# KiCad board bottom-board.kicad_pcb (continued)
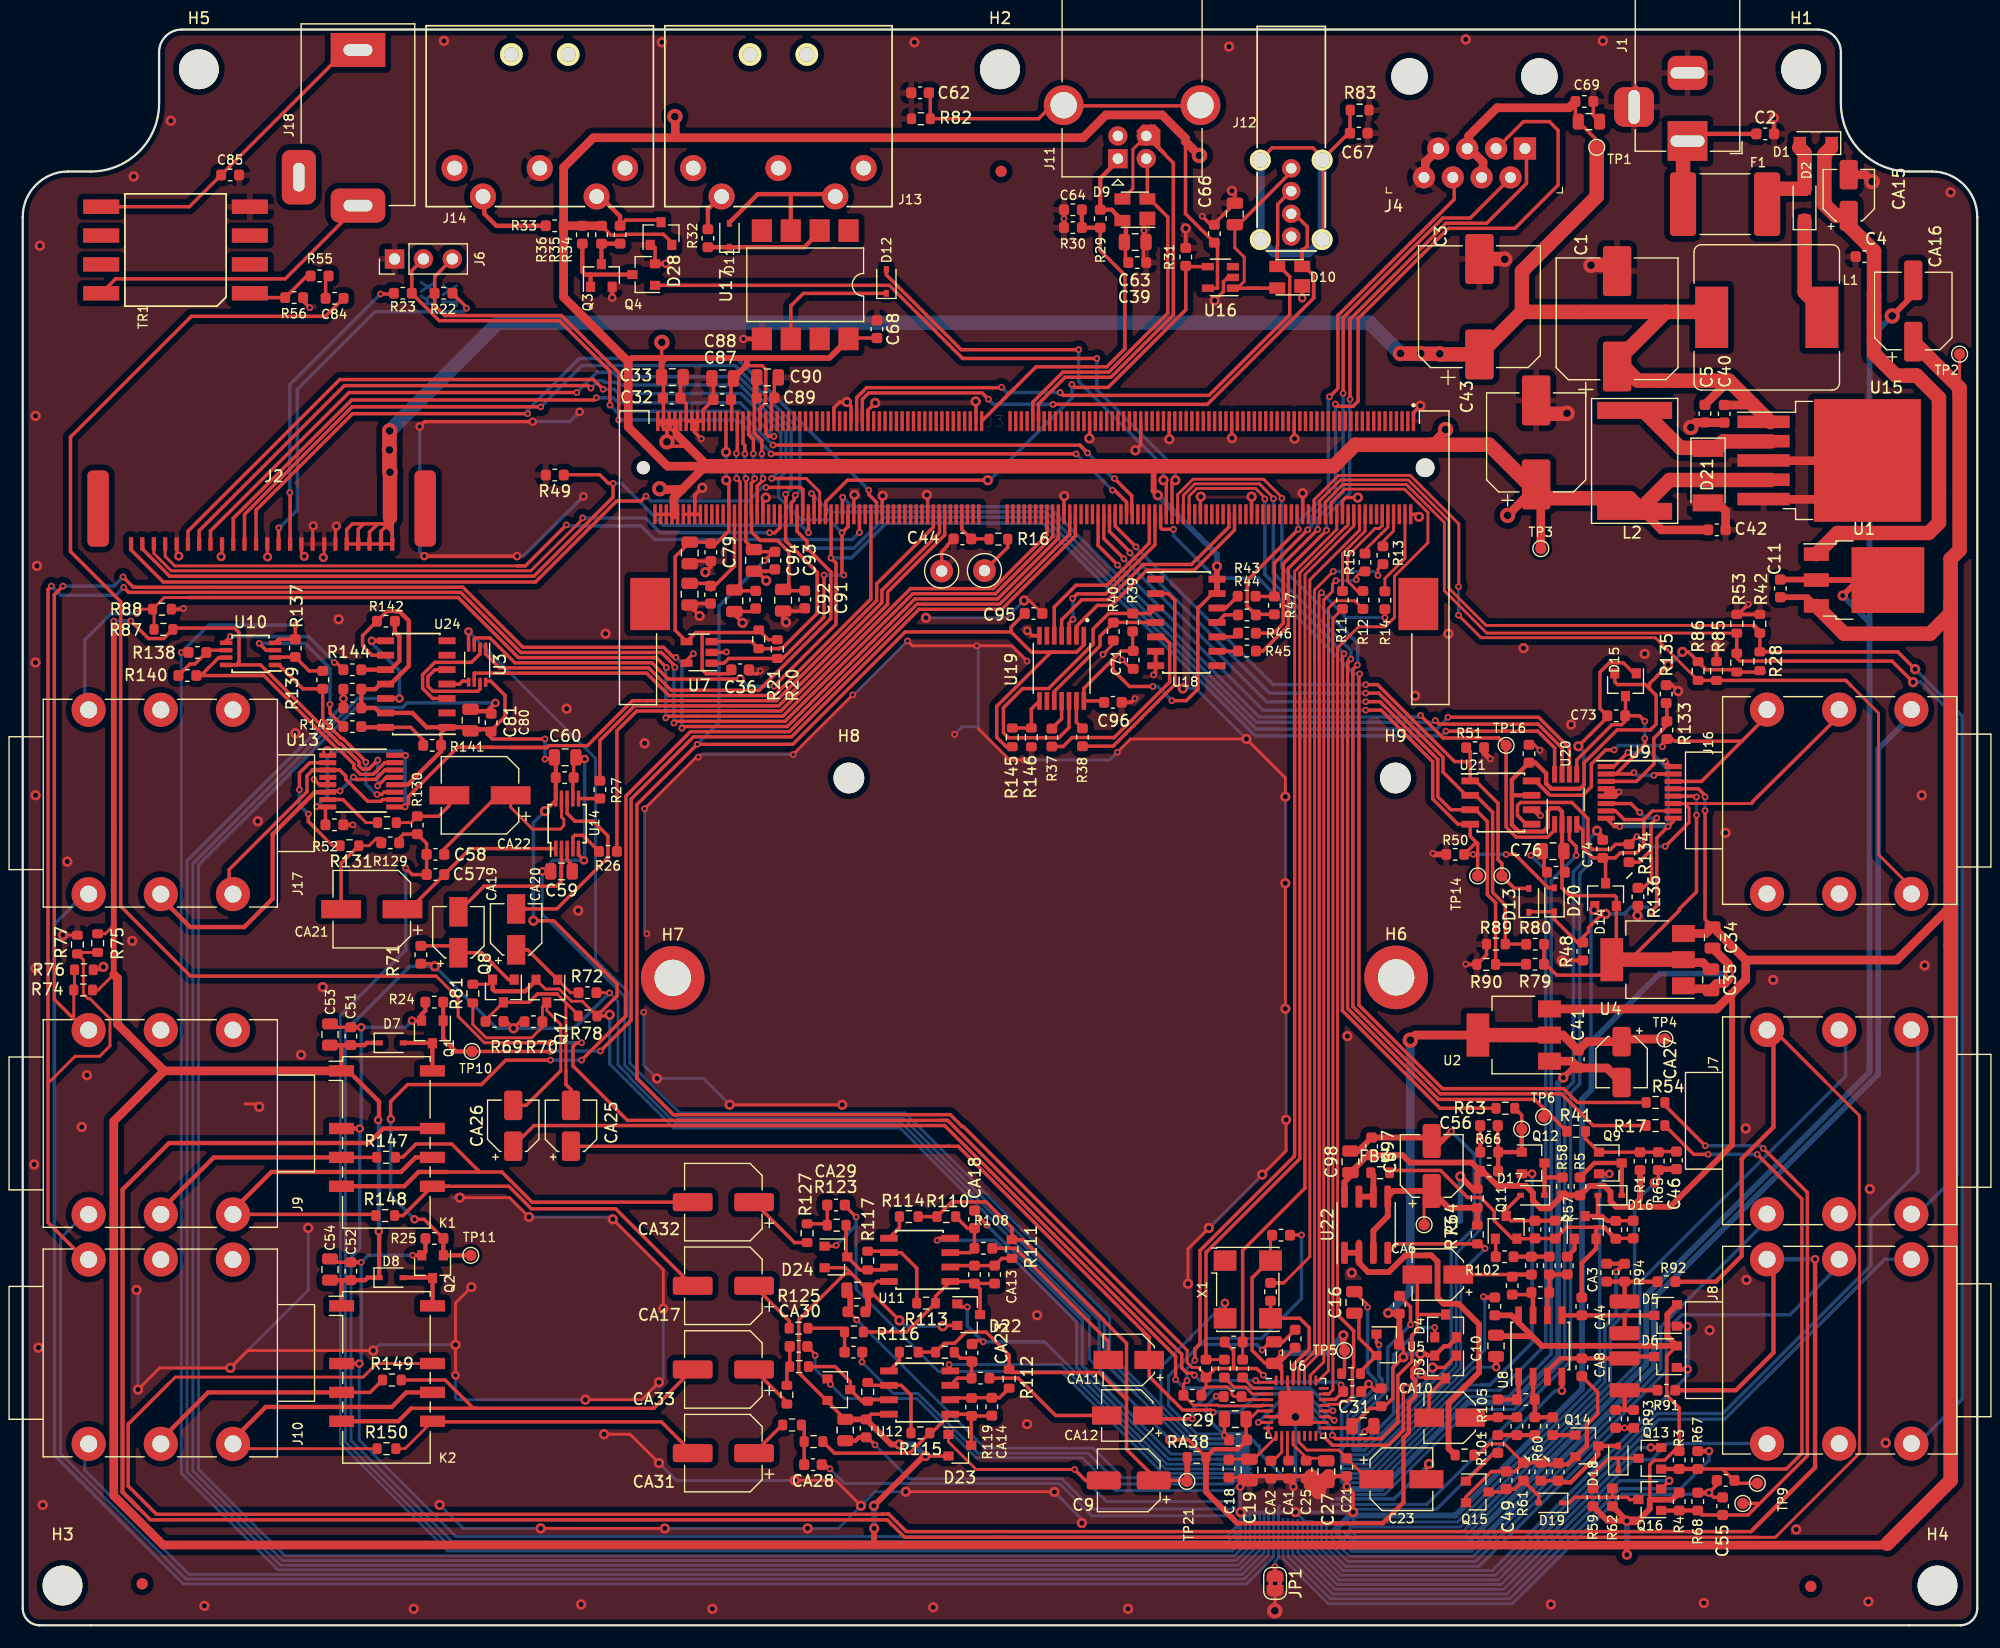
[diagram p0: board, top side]
## Placement (name value [footprint] x y rotation side) (continued)
TP9  TestPoint  [TestPoint_Pad_D1.0mm]  151.37 10.73 270 top
TP10  TestPoint  [TestPoint_Pad_D1.0mm]  39.53 50.52 0 top
TP11  TestPoint  [TestPoint_Pad_D1.0mm]  39.42 32.57 0 top
TP14  TestPoint  [TestPoint_Pad_D1.0mm]  128.03 65.98 90 top
TP15  TestPoint  [TestPoint_Pad_D1.0mm]  130.17 65.98 270 top
TP16  TestPoint  [TestPoint_Pad_D1.0mm]  130.54 77.47 0 top
TP18  TestPoint  [TestPoint_Loop_D1.80mm_Drill1.0mm_Beaded]  80.86 92.82 0 top
TP20  TestPoint  [TestPoint_Pad_D1.0mm]  123.32 35.27 270 top
TP21  TestPoint  [TestPoint_Pad_D1.0mm]  102.45 12.67 270 top
TP22  TestPoint  [TestPoint_Loop_D1.80mm_Drill1.0mm_Beaded]  84.63 92.86 0 top
TR1  Transformer_1P_1S_SO8  [PE-65812NL]  13.45 121.09 90 top
U1  TL750M10CKVURG3  [TO-252-3_TabPin2]  162.04 92.03 0 top
U2  LD1117S50TR  [SOT-223-3_TabPin2]  131.21 51.97 180 top
U3  74LVC3G17  [VSSOP-8_2.3x2mm_P0.5mm]  39.99 84.58 270 top
U4  LD1117S50TR  [SOT-223-3_TabPin2]  142.99 58.6 180 top
U5  AP2120N-3.3  [SOT-23]  120.13 24.7 0 top
U6  CS4265  [QFN-32-1EP_5x5mm_P0.5mm_EP3.1x3.1mm]  112.05 19.11 0 top
U7  AT24CS08  [SOT-23-5]  59.52 85.66 180 top
U8  LM4562  [SOIC-8_3.9x4.9mm_P1.27mm]  133.54 24.59 90 top
U9  DG9426E  [TSSOP-16_4.4x5mm_P0.65mm]  142.29 73.33 0 top
U10  LM358  [TSSOP-8_3x3mm_P0.65mm]  20.05 85.53 180 top
U11  LM833DR2G  [SOIC-8_3.9x4.9mm_P1.27mm]  78.93 32.18 180 top
U12  LM833DR2G  [SOIC-8_3.9x4.9mm_P1.27mm]  78.93 20.49 180 top
U13  DG9426E  [TSSOP-16_4.4x5mm_P0.65mm]  29.79 74.33 0 top
U14  LM4811  [MSOP-10_3x3mm_P0.5mm]  47.91 70.59 90 top
U15  LM2596S-5  [TO-263-5_TabPin3]  158.96 102.56 0 top
U16  TPS2041B  [SOT-23-5]  105.39 118.68 180 top
U17  6N136S  [SMDIP-8_W9.53mm]  68.86 118.03 270 top
U18  ISL83086E  [SOIC-14_3.9x8.7mm_P1.27mm]  102.4 88.3 0 top
U19  LSF0204DPWR  [SOP65P640X120-14N]  91.42 84.26 270 top
U20  ADC122S021  [VSSOP-8_3.0x3.0mm_P0.65mm]  135.78 72.72 90 top
U21  MIC2076A  [SOIC-8_3.9x4.9mm_P1.27mm]  130.08 72.44 0 top
U22  LM833DR2G  [SOIC-8_3.9x4.9mm_P1.27mm#2]  118.22 35.27 90 top
U24  MCP4922-EP  [SOIC-14_3.9x8.7mm_P1.27mm]  34.63 82.87 180 top
X1  24.576MHz  [Oscillator_SMD_Abracon_ASV-4Pin_7.0x5.1mm]  107.8 29.57 270 top

## Library data of the parts
C1 C3 = -: MPN: UCM1C102MNL1GS
C2 C4 C7 C11 C12 C14 C17 C18 C20-C22 C24 C25 C28 C30 C32 C36 C37 C39-C42 C45-C50 C55-C58 C61 C64 C65 C68 C70-C72 C75 C79 C80 C82 C83 C87 C89 C91 C93 C95-C97 = -: MPN: GCM188R71C104KA37D
C5 C44 = -: MPN: C0603X7R500-103KNP
C6 C9 C23 CA17 CA31-CA33 = -: MPN: EDK476M016A9DAA
C8 C33 C78 C86 C88 C90 C92 C94 = -: MPN: CL21A226MPQNNNE
C10 C13 C16 C19 C26 C27 C29 C31 C34 C35 C38 C59 C60 C63 C66 C69 C76 C81 C98 = -: MPN: GRM219R61E106KA12D
C15 C62 C67 C77 = -: MPN: TMK107B7105KA-T
C43 = -: MPN: UCW1C471MNL1GS
C51 C52 = -: MPN: DO NOT PLACE; MPN2: GCM188R71C104KA37D
C53 C54 = -: MPN: DO NOT PLACE; MPN2: CL21A226MPQNNNE
C73 C74 = -: MPN: C0603C333K4RACTU
C84 = -: MPN: CL10B103KA8NNNC
C85 = -: MPN: C0603C220K4GACTU
CA1 CA2 = -: MPN: GRM1885C1H222JA01D
CA3 CA5 CA7 CA9 CA13 CA14 CA18 CA23 CA24 CA28-CA30 = -: MPN: C0603C101J3GACTU
CA4 CA8 = -: MPN: FCA1210C105M-G2
CA6 CA10-CA12 CA15 CA19 CA20 CA25-CA27 = -: MPN: EEE-HB1C100R
CA16 CA21 CA22 = -: MPN: 107SML016M
D1 D2 = -: MPN: RSX205LAM30TR
D3-D6 D14 D15 D22-D25 D28 = -: MPN: BAT54SFILM
D7 D8 = -: MPN: DO NOT PLACE; MPN2: 1N4148WX-TP
D9 D10 = -: MPN: PRTR5V0U2X,215
D11-D13 D16-D20 = -: MPN: 1N4148WX-TP
D21 = -: MPN: TSSA3U45 R3G
F1 = -: MPN: 0ZCF0200FF2C
FB1-FB3 = -: MPN: BLM18HD102SH1D
H6 H7 = -: MPN: 9774030243R
J1 = -: MPN: Adafruit Industries LLC 3643
J2 = -: MPN: F51L-1A7H1-11024
J3 = -: MPN: TE_2309409-1
J4 = -: MPN: 54602-908LF
J6 R19 R24 R25 = -: MPN: DO NOT PLACE
J11 = -: MPN: 61729-1011BLF
J12 = -: MPN: KUSBX-SLAS1N-B
J13 J14 = -: MPN: SDS-50J
K1 K2 = -: MPN: DO NOT PLACE; MPN2: EE2-12NU-L
L1 = -: MPN: SRR1260-102K
L2 = -: MPN: SRN8040TA-470M
Q1 Q2 = -: MPN: DO NOT PLACE; MPN2: 2N7002P 215
Q3 Q4 Q9 Q12 Q13 Q16 = -: MPN: 2N7002P,215
Q8 Q10 Q11 Q14 Q15 Q17 = -: MPN: MMBFJ110
R1-R4 R29 R31 R35 R36 R39 R40 R48-R52 R79 R80 R107-R120 R133-R140 R145 R146 = -: MPN: RR0816P-103-D
R5 R28 R58 R59 R62 R84 R86 = -: MPN: RMCF0603JT100K
R6-R8 R20-R23 R65-R68 = -: MPN: CRGCQ0603F2K7
R9-R15 R26 R27 R37 R38 = -: MPN: RMCF0603JT22R0
R16 = -: MPN: CRGCQ0603J10R
R17 R41 R54 R63 R64 R143 R144 = -: MPN: ERJ-PB3D1001V
R18 R57 R60 R61 R69 R70 R82 R83 R93-R96 = -: MPN: RT0603BRD071ML
R30 R89 R90 = -: MPN: RMCF0603JT15K0
R32-R34 = -: MPN: RC0603FR-07220RL
R42 R53 R71 R72 R85 = -: MPN: RT0603DRD0756KL
R43-R46 = -: MPN: CRGCQ0603F56R
R47 R105 R106 RA38 = -: MPN: RT0603DRD07100RL
R55 = -: MPN: RC0603FR-07243RL
R56 = -: MPN: RC0603FR-07107RL
R73 = -: MPN: CRGCQ0603F1K5
R74 R75 R87 = -: MPN: RMCF0603JT220K
R76 R77 R88 = -: MPN: RMCF0603JT47K0
R78 R81 = -: MPN: DO NOT PLACE; MPN2: RT0603BRD071ML
R91 R92 = -: MPN: RT0603DRE0747RL
R97 R98 = -: MPN: ERA-3AED562V
R99 R100 = -: MPN: RT0603DRD0722KL
R101-R104 = -: MPN: RT0603DRE074K7L
R121-R128 = -: MPN: RC0603FR-07150RL
R129 R130 = -: MPN: RR0816P-753-D
R131 R132 = -: MPN: RMCF0603FT6R80
R141 R142 = -: MPN: ERJ-3EKF4993V
R147-R150 = -: MPN: CRG0603ZR
TR1 = -: MPN: PE-65812NL
U3 = -: MPN: SN74LVC3G17DCUR
U5 = -: MPN: AP2120N-3.3TRG1
U6 = -: MPN: CS4265-CNZ
U7 = -: MPN: AT24CS08-STUM-T
U8 = -: MPN: LM4562MAX/NOPB
U10 = -: MPN: TLV272CM8-13
U13 = -: MPN: DG9426EDQ-T1-GE3
U14 = -: MPN: LM4811MM/NOPB
U15 = -: MPN: TS2596CM550 RNG
U18 = -: MPN: ISL83491IBZ
U20 = -: MPN: ADC122S021CIMM/NOPB
U21 = -: MPN: MIC2076A-1YM; MPN2: SP2526A-1EN-L/TR
U22 = -: MPN2: OPA1678IDR
U24 = -: MPN: MCP4922T-E/SL
X1 = -: MPN: ASV-24.576MHZ-EJ-T

## Footprints (pads in the part's own frame, mm; a bottom-side part is the same pattern mirrored in y, then rotated)
BarrelJack_Horizontal
  rect 3.5x3.5 hole 1x3: 1(0,0)
  rrect 3x3.5 hole 1x3: 2(-6,0)
  rrect 3.5x3.5 hole 3x1: 3(-3,-4.7)
C_0603_1608Metric
  rrect 0.875x0.95 smd: 1(-0.787,0) 2(0.787,0)
C_0805_2012Metric
  rrect 1x1.45 smd: 1(-0.95,0) 2(0.95,0)
C_0805_2012Metric#2
  rrect 0.975x1.4 smd: 1(-0.938,0) 2(0.938,0)
C_1210_3225Metric
  rrect 1.25x2.65 smd: 1(-1.4,0) 2(1.4,0)
CP_Elec_4x5.7
  rect 2.6x1.6 smd: 1(-1.8,0) 2(1.8,0)
CP_Elec_4x5.7#2
  rrect 2.6x1.6 smd: 1(-1.8,0) 2(1.8,0)
CP_Elec_5x5.4
  rect 3x1.6 smd: 1(-2.2,0) 2(2.2,0)
CP_Elec_5x5.4#2
  rrect 3x1.6 smd: 1(-2.2,0) 2(2.2,0)
CP_Elec_6.3x7.7
  rect 3.5x1.6 smd: 1(-2.7,0) 2(2.7,0)
CP_Elec_6.3x7.7#2
  rrect 3.5x1.6 smd: 1(-2.7,0) 2(2.7,0)
CP_Elec_8x10.5
  rrect 4.4x2.5 smd: 1(-3.7,0) 2(3.7,0)
CP_Elec_10x10.5
  rrect 4.4x2.5 smd: 1(-4.2,0) 2(4.2,0)
D_MELF
  rect 1.5x2.7 smd: 1(-2.4,0) 2(2.4,0)
D_SOD-123F
  rect 1.1x1.1 smd: 1(-1.4,0) 2(1.4,0)
D_SOD-323
  rect 0.6x0.45 smd: 1(-1.05,0) 2(1.05,0)
Ethernet_Jack_54602-908LF
  round 3.2 hole 3.2 unplated: (-1.27,-6.35) (10.16,-6.35)
  rect 1.96x1.96 hole 0.96: 1(0,0)
  round 1.96 hole 0.96: 2(1.27,2.54) 3(2.54,0) 4(3.81,2.54) 5(5.08,0) 6(6.35,2.54) 7(7.62,0) 8(8.89,2.54)
F51L-1A7H1-11024
  rrect 0.381x1.206 smd: 1(-12.573,-5.461) 2(-11.582,-5.461) 3(-10.566,-5.461) 4(-9.576,-5.461) 5(-8.56,-5.461) 6(-7.569,-5.461) 7(-6.579,-5.461) 8(-5.588,-5.461) 9(-4.572,-5.461) 10(-3.581,-5.461) 11(-2.591,-5.461) 12(-1.575,-5.461) 13(-0.584,-5.461) 14(0.406,-5.461) 15(1.422,-5.461) 16(2.413,-5.461) 17(3.404,-5.461) 18(4.42,-5.461) 19(5.41,-5.461) 20(6.401,-5.461) 21(7.417,-5.461) 22(8.407,-5.461) 23(9.423,-5.461) 24(10.414,-5.461)
  rrect 1.894x6.718 smd: 25(-15.476,-2.343) 25(13.31,-2.337)
fiducial_in-circuit
  round 1 smd: (0,0)
  rect 3x3 smd: (0,0)
Fuse_2920_0ZCF_Bel
  rrect 2.3x5.6 smd: 1(-3.7,0) 2(3.7,0)
L_Bourns_SRR1260
  rect 2.9x5.4 smd: 1(-4.85,0) 2(4.85,0)
MJ-3536N
  rect 3x4.8 hole 1.02x2.54: S(0,0)
  rrect 3x4.8 hole 1.02x2.54: T(13.7,0)
  rrect 4.8x3 hole 2.54x1.02: TN(11.2,-5.2)
MountingHole_2.7mm
  round 2.7 hole 2.7 unplated: (0,0)
MountingHole_3.2mm_M3_DIN965_Pad
  round 5.6 hole 3.2: 1(0,0)
MountingHole_3.5mm
  round 3.5 hole 3.5 unplated: (0,0)
MSOP-10_3x3mm_P0.5mm
  rect 1.4x0.3 smd: 1(-2.2,1) 2(-2.2,0.5) 3(-2.2,0) 4(-2.2,-0.5) 5(-2.2,-1) 6(2.2,-1) 7(2.2,-0.5) 8(2.2,0) 9(2.2,0.5) 10(2.2,1)
NMJ6HCD2
  round 3 hole 1.5: R(0,6.35) RN(16.23,6.35) S(0,12.7) SN(16.23,12.7) T(0,0) TN(16.23,0)
Oscillator_SMD_Abracon_ASV-4Pin_7.0x5.1mm
  rect 1.8x2 smd: 1(-2.54,-2) 2(2.54,-2) 3(2.54,2) 4(-2.54,2)
PE-65812NL
  rect 1.27x3.175 smd: 1(-3.81,-6.54) 2(-1.27,-6.54) 3(1.27,-6.54) 4(3.81,-6.54) 5(3.81,6.54) 6(1.27,6.54) 7(-1.27,6.54) 8(-3.81,6.54)
PinHeader_1x03_P2.54mm_Vertical
  rect 1.7x1.7 hole 1: 1(0,0)
  oval 1.7x1.7 hole 1: 2(0,-2.54) 3(0,-5.08)
QFN-32-1EP_5x5mm_P0.5mm_EP3.1x3.1mm
  rrect 0.83x0.83 smd: (-1.03,1.03) (-1.03,0) (-1.03,-1.03) (0,1.03) (0,0) (0,-1.03) (1.03,1.03) (1.03,0) (1.03,-1.03)
  rrect 0.875x0.25 smd: 1(-2.438,1.75) 2(-2.438,1.25) 3(-2.438,0.75) 4(-2.438,0.25) 5(-2.438,-0.25) 6(-2.438,-0.75) 7(-2.438,-1.25) 8(-2.438,-1.75) 17(2.438,-1.75) 18(2.438,-1.25) 19(2.438,-0.75) 20(2.438,-0.25) 21(2.438,0.25) 22(2.438,0.75) 23(2.438,1.25) 24(2.438,1.75)
  rrect 0.25x0.875 smd: 9(-1.75,-2.438) 10(-1.25,-2.438) 11(-0.75,-2.438) 12(-0.25,-2.438) 13(0.25,-2.438) 14(0.75,-2.438) 15(1.25,-2.438) 16(1.75,-2.438) 25(1.75,2.438) 26(1.25,2.438) 27(0.75,2.438) 28(0.25,2.438) 29(-0.25,2.438) 30(-0.75,2.438) 31(-1.25,2.438) 32(-1.75,2.438)
  rrect 3.1x3.1 smd: 33(0,0)
R_0603_1608Metric
  rrect 0.875x0.95 smd: 1(-0.787,0) 2(0.787,0)
R_0603_1608Metric#2
  rrect 0.8x0.95 smd: 1(-0.825,0) 2(0.825,0)
Relay_DPDT_Omron_G6S-2F
  rect 2.2x1 smd: 1(-4,6.35) 3(-4,1.27) 4(-4,-1.27) 5(-4,-3.81) 8(4,-3.81) 9(4,-1.27) 10(4,1.27) 12(4,6.35)
SDS-50J
  round 2 hole 1.3: (5,10) (10,10)
  round 2.3 hole 1.3: 1(0,0) 2(7.5,0) 3(15,0) 4(2.5,-2.5) 5(12.5,-2.5)
SMDIP-8_W9.53mm
  rect 2x1.78 smd: 1(-4.765,3.81) 2(-4.765,1.27) 3(-4.765,-1.27) 4(-4.765,-3.81) 5(4.765,-3.81) 6(4.765,-1.27) 7(4.765,1.27) 8(4.765,3.81)
SOIC-8_3.9x4.9mm_P1.27mm
  rect 1.55x0.6 smd: 1(-2.7,1.905) 2(-2.7,0.635) 3(-2.7,-0.635) 4(-2.7,-1.905) 5(2.7,-1.905) 6(2.7,-0.635) 7(2.7,0.635) 8(2.7,1.905)
SOIC-8_3.9x4.9mm_P1.27mm#2
  rrect 1.95x0.6 smd: 1(-2.475,1.905) 2(-2.475,0.635) 3(-2.475,-0.635) 4(-2.475,-1.905) 5(2.475,-1.905) 6(2.475,-0.635) 7(2.475,0.635) 8(2.475,1.905)
SOIC-14_3.9x8.7mm_P1.27mm
  rect 1.5x0.6 smd: 1(-2.7,3.81) 2(-2.7,2.54) 3(-2.7,1.27) 4(-2.7,0) 5(-2.7,-1.27) 6(-2.7,-2.54) 7(-2.7,-3.81) 8(2.7,-3.81) 9(2.7,-2.54) 10(2.7,-1.27) 11(2.7,0) 12(2.7,1.27) 13(2.7,2.54) 14(2.7,3.81)
SolderJumper-2_P1.3mm_Bridged2Bar_RoundedPad1.0x1.5mm
  custom 1x1.5 smd: 1(-0.65,0) 2(0.65,0)
SOP65P640X120-14N
  rrect 1.57x0.41 smd: 1(-2.87,1.95) 2(-2.87,1.3) 3(-2.87,0.65) 4(-2.87,0) 5(-2.87,-0.65) 6(-2.87,-1.3) 7(-2.87,-1.95) 8(2.87,-1.95) 9(2.87,-1.3) 10(2.87,-0.65) 11(2.87,0) 12(2.87,0.65) 13(2.87,1.3) 14(2.87,1.95)
SOT-23
  rect 0.9x0.8 smd: 1(-1,0.95) 2(-1,-0.95) 3(1,0)
SOT-23-5
  rect 1.06x0.65 smd: 1(-1.1,0.95) 2(-1.1,0) 3(-1.1,-0.95) 4(1.1,-0.95) 5(1.1,0.95)
SOT-143
  rect 1.4x1.2 smd: 1(-1.1,0.77)
  rect 1.4x1 smd: 2(-1.1,-0.95) 3(1.1,-0.95) 4(1.1,0.95)
SOT-223-3_TabPin2
  rect 2x1.5 smd: 1(-3.15,2.3) 2(-3.15,0) 3(-3.15,-2.3)
  rect 2x3.8 smd: 2(3.15,0)
SRN8040TA
  rect 6.6x1.5 smd: 1(0,-5.08) 2(0,3.81)
TE_2309409-1
  round 1.15 hole 1.15 unplated: (-30.9,0)
  round 1.65 hole 1.65 unplated: (37.9,0)
  rect 0.3x1.75 smd: 1(36.875,4.1) 2(36.625,-4.1) 3(36.375,4.1) 4(36.125,-4.1) 5(35.875,4.1) 6(35.625,-4.1) 7(35.375,4.1) 8(35.125,-4.1) 9(34.875,4.1) 10(34.625,-4.1) 11(34.375,4.1) 12(34.125,-4.1) 13(33.875,4.1) 14(33.625,-4.1) 15(33.375,4.1) 16(33.125,-4.1) 17(32.875,4.1) 18(32.625,-4.1) 19(32.375,4.1) 20(32.125,-4.1) 21(31.875,4.1) 22(31.625,-4.1) 23(31.375,4.1) 24(31.125,-4.1) 25(30.875,4.1) 26(30.625,-4.1) 27(30.375,4.1) 28(30.125,-4.1) 29(29.875,4.1) 30(29.625,-4.1) 31(29.375,4.1) 32(29.125,-4.1) 33(28.875,4.1) 34(28.625,-4.1) 35(28.375,4.1) 36(28.125,-4.1) 37(27.875,4.1) 38(27.625,-4.1) 39(27.375,4.1) 40(27.125,-4.1) 41(26.875,4.1) 42(26.625,-4.1) 43(26.375,4.1) 44(26.125,-4.1) 45(25.875,4.1) 46(25.625,-4.1) 47(25.375,4.1) 48(25.125,-4.1) 49(24.875,4.1) 50(24.625,-4.1) 51(24.375,4.1) 52(24.125,-4.1) 53(23.875,4.1) 54(23.625,-4.1) 55(23.375,4.1) 56(23.125,-4.1) 57(22.875,4.1) 58(22.625,-4.1) 59(22.375,4.1) 60(22.125,-4.1) 61(21.875,4.1) 62(21.625,-4.1) 63(21.375,4.1) 64(21.125,-4.1) 65(20.875,4.1) 66(20.625,-4.1) 67(20.375,4.1) 68(20.125,-4.1) 69(19.875,4.1) 70(19.625,-4.1) 71(19.375,4.1) 72(19.125,-4.1) 73(18.875,4.1) 74(18.625,-4.1) 75(18.375,4.1) 76(18.125,-4.1) 77(17.875,4.1) 78(17.625,-4.1) 79(17.375,4.1) 80(17.125,-4.1) 81(16.875,4.1) 82(16.625,-4.1) 83(16.375,4.1) 84(16.125,-4.1) 85(15.875,4.1) 86(15.625,-4.1) 87(15.375,4.1) 88(15.125,-4.1) 89(14.875,4.1) 90(14.625,-4.1) 91(14.375,4.1) 92(14.125,-4.1) 93(13.875,4.1) 94(13.625,-4.1) 95(13.375,4.1) 96(13.125,-4.1) 97(12.875,4.1) 98(12.625,-4.1) 99(12.375,4.1) 100(12.125,-4.1) 101(11.875,4.1) 102(11.625,-4.1) 103(11.375,4.1) 104(11.125,-4.1) 105(10.875,4.1) 106(10.625,-4.1) 107(10.375,4.1) 108(10.125,-4.1) 109(9.875,4.1) 110(9.625,-4.1) 111(9.375,4.1) 112(9.125,-4.1) 113(8.875,4.1) 114(8.625,-4.1) 115(8.375,4.1) 116(8.125,-4.1) 117(7.875,4.1) 118(7.625,-4.1) 119(7.375,4.1) 120(7.125,-4.1) 121(6.875,4.1) 122(6.625,-4.1) 123(6.375,4.1) 124(6.125,-4.1) 125(5.875,4.1) 126(5.625,-4.1) 127(5.375,4.1) 128(5.125,-4.1) 129(4.875,4.1) 130(4.625,-4.1) 131(4.375,4.1) 132(4.125,-4.1) 133(3.875,4.1) 134(3.625,-4.1) 135(3.375,4.1) 136(3.125,-4.1) 137(2.875,4.1) 138(2.625,-4.1) 139(2.375,4.1) 140(2.125,-4.1) 141(1.875,4.1) 142(1.625,-4.1) 143(1.375,4.1) 144(1.125,-4.1) 145(-1.125,4.1) 146(-1.375,-4.1) 147(-1.625,4.1) 148(-1.875,-4.1) 149(-2.125,4.1) 150(-2.375,-4.1) 151(-2.625,4.1) 152(-2.875,-4.1) 153(-3.125,4.1) 154(-3.375,-4.1) 155(-3.625,4.1) 156(-3.875,-4.1) 157(-4.125,4.1) 158(-4.375,-4.1) 159(-4.625,4.1) 160(-4.875,-4.1) 161(-5.125,4.1) 162(-5.375,-4.1) 163(-5.625,4.1) 164(-5.875,-4.1) 165(-6.125,4.1) 166(-6.375,-4.1) 167(-6.625,4.1) 168(-6.875,-4.1) 169(-7.125,4.1) 170(-7.375,-4.1) 171(-7.625,4.1) 172(-7.875,-4.1) 173(-8.125,4.1) 174(-8.375,-4.1) 175(-8.625,4.1) 176(-8.875,-4.1) 177(-9.125,4.1) 178(-9.375,-4.1) 179(-9.625,4.1) 180(-9.875,-4.1) 181(-10.125,4.1) 182(-10.375,-4.1) 183(-10.625,4.1) 184(-10.875,-4.1) 185(-11.125,4.1) 186(-11.375,-4.1) 187(-11.625,4.1) 188(-11.875,-4.1) 189(-12.125,4.1) 190(-12.375,-4.1) 191(-12.625,4.1) 192(-12.875,-4.1) 193(-13.125,4.1) 194(-13.375,-4.1) 195(-13.625,4.1) 196(-13.875,-4.1) 197(-14.125,4.1) 198(-14.375,-4.1) 199(-14.625,4.1) 200(-14.875,-4.1) 201(-15.125,4.1) 202(-15.375,-4.1) 203(-15.625,4.1) 204(-15.875,-4.1) 205(-16.125,4.1) 206(-16.375,-4.1) 207(-16.625,4.1) 208(-16.875,-4.1) 209(-17.125,4.1) 210(-17.375,-4.1) 211(-17.625,4.1) 212(-17.875,-4.1) 213(-18.125,4.1) 214(-18.375,-4.1) 215(-18.625,4.1) 216(-18.875,-4.1) 217(-19.125,4.1) 218(-19.375,-4.1) 219(-19.625,4.1) 220(-19.875,-4.1) 221(-20.125,4.1) 222(-20.375,-4.1) 223(-20.625,4.1) 224(-20.875,-4.1) 225(-21.125,4.1) 226(-21.375,-4.1) 227(-21.625,4.1) 228(-21.875,-4.1) 229(-22.125,4.1) 230(-22.375,-4.1) 231(-22.625,4.1) 232(-22.875,-4.1) 233(-23.125,4.1) 234(-23.375,-4.1) 235(-23.625,4.1) 236(-23.875,-4.1) 237(-24.125,4.1) 238(-24.375,-4.1) 239(-24.625,4.1) 240(-24.875,-4.1) 241(-25.125,4.1) 242(-25.375,-4.1) 243(-25.625,4.1) 244(-25.875,-4.1) 245(-26.125,4.1) 246(-26.375,-4.1) 247(-26.625,4.1) 248(-26.875,-4.1) 249(-27.125,4.1) 250(-27.375,-4.1) 251(-27.625,4.1) 252(-27.875,-4.1) 253(-28.125,4.1) 254(-28.375,-4.1) 255(-28.625,4.1) 256(-28.875,-4.1) 257(-29.125,4.1) 258(-29.375,-4.1) 259(-29.625,4.1) 260(-29.875,-4.1)
  rect 3.5x4.6 smd: S1(37.3,-12) S2(-30.3,-12)
TestPoint_Loop_D1.80mm_Drill1.0mm_Beaded
  round 2 hole 1: 1(0,0)
TestPoint_Pad_D1.0mm
  round 1 smd: 1(0,0)
TO-252-3_TabPin2
  rect 3.05x2.75 smd: (0.425,1.525) (0.425,-1.525) (3.775,1.525) (3.775,-1.525)
  rect 2.2x1.2 smd: 1(-4.2,2.28) 2(-4.2,0) 3(-4.2,-2.28)
  rect 6.4x5.8 smd: 2(2.1,0)
TO-263-5_TabPin3
  rect 4.55x5.25 smd: (0.95,2.775) (0.95,-2.775) (5.8,2.775) (5.8,-2.775)
  rect 4.6x1.1 smd: 1(-5.775,3.4) 2(-5.775,1.7) 3(-5.775,0) 4(-5.775,-1.7) 5(-5.775,-3.4)
  rect 9.4x10.8 smd: 3(3.375,0)
TSSOP-8_3x3mm_P0.65mm
  rect 1.1x0.4 smd: 1(-2.15,0.975) 2(-2.15,0.325) 3(-2.15,-0.325) 4(-2.15,-0.975) 5(2.15,-0.975) 6(2.15,-0.325) 7(2.15,0.325) 8(2.15,0.975)
TSSOP-16_4.4x5mm_P0.65mm
  rect 1.5x0.45 smd: 1(-2.95,2.275) 2(-2.95,1.625) 3(-2.95,0.975) 4(-2.95,0.325) 5(-2.95,-0.325) 6(-2.95,-0.975) 7(-2.95,-1.625) 8(-2.95,-2.275) 9(2.95,-2.275) 10(2.95,-1.625) 11(2.95,-0.975) 12(2.95,-0.325) 13(2.95,0.325) 14(2.95,0.975) 15(2.95,1.625) 16(2.95,2.275)
USB_A_Vertical
  round 1.62 hole 0.92: 1(0,0) 2(0,-2) 3(0,-4) 4(0,-6)
  round 1.85 hole 1.35: 5(-2.72,0.73) 5(-2.72,-6.27) 5(2.72,0.73) 5(2.72,-6.27)
USB_B_OST_USB-B1HSxx_Horizontal
  rect 1.7x1.7 hole 0.92: 1(0,0)
  round 1.7 hole 0.92: 2(0,-2.5) 3(2,-2.5) 4(2,0)
  round 3.5 hole 2.33: 5(4.71,4.77) 5(4.71,-7.27)
VSSOP-8_2.3x2mm_P0.5mm
  rect 0.8x0.3 smd: 1(-1.55,0.75) 2(-1.55,0.25) 3(-1.55,-0.25) 4(-1.55,-0.75) 5(1.55,-0.75) 6(1.55,-0.25) 7(1.55,0.25) 8(1.55,0.75)
VSSOP-8_3.0x3.0mm_P0.65mm
  rect 1.45x0.45 smd: 1(-2.2,0.975) 2(-2.2,0.325) 3(-2.2,-0.325) 4(-2.2,-0.975) 5(2.2,-0.975) 6(2.2,-0.325) 7(2.2,0.325) 8(2.2,0.975)

## Nets
+3.3VA: C17.2 C24.2 C26.1 FB1.1 TP5.1 U6.31 X1.4
+3V0: C7.2 C8.1 J3.230 J3.231
+3V3: C36.1 C79.2 C86.1 J3.234 J3.235 R20.2 R21.2 U7.4
+5VA: C15.1 C28.2 C29.1 C30.2 C31.1 C41.1 C60.2 C61.1 C80.2 C81.1 C82.2 C83.2 CA27.1 D3.2 D4.2 Q8.2 Q17.2 R78.2 R81.2 R141.1 R142.1 RA38.1 TP4.1 U2.2 U3.8 U5.3 U6.5 U6.17 U13.12 U14.10 U24.1 U24.9 U24.11 U24.13
+5VD: C32.2 C33.1 C42.1 C43.1 C65.1 C68.2 C71.1 C87.2 C88.1 C96.1 D28.2 J3.223 J3.233 J3.251 J3.252 J3.253 J3.254 J3.255 J3.256 J3.257 J3.258 J3.259 J3.260 L2.2 R33.2 R35.1 R36.1 R39.1 TP3.1 U15.4 U16.5 U17.8 U18.13 U18.14 U19.14
+5VP: C35.1 C75.2 C76.1 C77.2 D14.2 D15.2 R28.2 R79.2 R80.2 R84.2 R86.2 U4.2 U9.12 U20.2 U21.7
+10V: C10.1 C11.1 C12.2 C13.1 C14.2 C34.1 C37.2 C38.1 C51.2 C52.2 C53.1 C54.1 C97.2 C98.1 CA16.1 D5.2 D6.2 D7.1 D8.1 D22.2 D23.2 D24.2 D25.2 K1.1 K2.1 R1.1 R2.1 R3.1 R4.1 R5.1 R58.1 R59.1 R62.1 R64.1 R74.2 R75.2 R87.2 TP2.1 U1.3 U2.3 U4.3 U8.8 U9.13 U10.8 U11.8 U12.8 U13.13 U22.8
+12V: C1.1 C3.1 C5.1 C40.1 C69.1 C70.1 J2.20 J2.21 J2.22 J2.23 J2.24 J4.4 J4.5 L1.2 TP1.1 U15.1
GND: U3.4
GNDA: C6.2 C9.2 C10.2 C11.2 C12.1 C13.2 C14.1 C15.2 C16.2 C17.1 C18.1 C19.2 C20.1 C21.1 C22.1 C23.2 C24.1 C25.1 C26.2 C27.2 C28.1 C29.2 C30.1 C31.2 C34.2 C35.2 C37.1 C38.2 C41.2 C45.1 C46.1 C51.1 C52.1 C53.2 C54.2 C55.1 C56.1 C57.1 C58.1 C59.2 C60.1 C61.2 C73.2 C74.2 C75.1 C76.2 C80.1 C81.2 C82.1 C83.1 C97.1 C98.2 CA1.2 CA2.2 CA3.1 CA7.1 CA16.2 CA18.2 CA23.2 CA24.1 CA27.2 CA28.1 CA29.1 CA30.1 D3.1 D4.1 D5.1 D6.1 D14.1 D15.1 D22.1 D23.1 D24.1 D25.1 J7.R J7.S J7.TN J8.R J8.S J8.TN J9.S J10.S J16.S J17.S JP1.1 K1.3 K2.3 Q1.2 Q2.2 Q9.2 Q12.2 Q13.2 Q16.2 R24.2 R25.2 R65.1 R66.1 R67.1 R68.1 R69.1 R70.1 R71.1 R72.1 R73.2 R93.1 R94.1 R129.2 R130.2 R137.1 R138.1 U1.2 U2.1 U4.1 U5.1 U6.6 U6.18 U6.30 U6.33 U8.4 U10.4 U11.4 U12.4 U14.5 U14.7 U20.3 U22.4 U24.8 U24.12 X1.2
GNDD: C1.2 C2.2 C3.2 C4.2 C5.2 C7.1 C8.2 C32.1 C33.2 C36.2 C39.1 C40.2 C42.2 C43.2 C44.2 C62.2 C63.2 C64.2 C65.2 C66.1 C67.2 C68.1 C69.2 C70.2 C71.2 C72.1 C77.1 C78.2 C79.1 C85.1 C86.2 C87.1 C88.2 C89.1 C90.2 C91.1 C92.2 C93.1 C94.2 C95.2 C96.2 CA15.2 D9.1 D10.1 D21.2 D28.1 J1.2 J1.3 J2.5 J2.9 J2.13 J2.16 J2.17 J2.18 J2.19 J3.1 J3.2 J3.26 J3.40 J3.43 J3.58 J3.65 J3.76 J3.87 J3.97 J3.115 J3.124 J3.147 J3.164 J3.180 J3.185 J3.190 J3.191 J3.197 J3.219 J3.222 J3.243 J3.244 J3.245 J3.246 J3.247 J3.248 J3.249 J3.250 J4.7 J4.8 J6.1 J11.4 J12.4 J14.2 JP1.2 Q3.2 Q4.2 R30.2 R31.1 R40.2 R42.1 R48.2 R49.2 R50.2 R51.2 R52.2 R53.1 R56.2 R76.1 R77.1 R82.1 R83.1 R85.1 R88.1 R89.1 R90.1 R135.2 R136.2 R146.1 TP18.1 TR1.4 U7.2 U7.5 U9.4 U9.5 U13.4 U13.5 U15.3 U15.5 U16.2 U17.5 U18.6 U18.7 U19.7 U21.6
VCC1V8_CODEC: C20.2 C22.2 C93.2 C94.1 C95.1 J3.228 J3.229 R6.1 R7.1 R8.1 R145.1 U6.3 U6.22 U19.1
VCC3V3_S0: C91.2 C92.1 J3.226 J3.227
VCC_RTC: C72.2 C78.1 J3.232
VDDIO_WL: C89.2 C90.1 J3.224 J3.225
/audio-inputs/INPUT_BIAS: C6.1 R64.2 R73.1 TP20.1 U22.3 U22.5
/audio-inputs/INPUT_BIAS_1: C48.1 C50.1 FB3.1 Q10.2 Q11.2 R18.2 R57.2 R96.1
/audio-inputs/INPUT_BIAS_2: C47.1 C49.1 FB2.1 Q14.2 Q15.2 R60.2 R61.2 R95.1
/audio-outputs/OUTPUT_BIAS: C9.1 R109.2 R110.2 R111.2 R112.2 R114.1 R116.1 RA38.2 TP21.1
CHAIN_UART_DE: J3.94 U19.5
CHAIN_UART_RE: J3.92 U19.3
CHAIN_UART_RX: J3.64 U19.2
CHAIN_UART_TX: J3.66 U19.4
CLI_UART_RX: J3.100 J6.2 R23.2
CLI_UART_TX: J3.102 J6.3 R22.2
CODEC_ADC_A: CA6.2 D4.3 U6.7
CODEC_ADC_B: CA10.2 D3.3 U6.8
CODEC_DAC_A: CA11.1 CA25.1 U6.19
CODEC_DAC_B: CA12.1 CA26.1 U6.20
CODEC_I2C_SCL: J3.24 R7.2 R10.2
CODEC_I2C_SDA: J3.22 R8.2 R9.2
CODEC_I2S_BCLK: J3.4 R14.2
CODEC_I2S_LRCK: J3.8 R13.2
CODEC_I2S_MCLK: J3.20 R19.2
CODEC_I2S_SDIN: J3.12 R12.2
CODEC_I2S_SDOUT: J3.10 R15.2
CODEC_MUTEC: J3.30 U6.21
CODEC_RESET: J3.28 R6.2 U6.4
CODEC_SPDIF_OUT: C84.2 U6.32
CODEC_SPDIF_SDIN: J3.18 R11.2
CV1_IN: J16.T R133.1 U9.14 U21.8
CV2_IN: J16.R R134.1 U9.11 U21.5
CV_10V_OUT1: R139.2 U10.1 U13.11
CV_10V_OUT2: R140.2 U10.7 U13.15
CV_ADC_DIN: J3.210 U3.1 U20.6
CV_ADC_DOUT: J3.204 U20.7
CV_ADC_SCLK: J3.198 U3.3 U20.8
CV_ADC_~{CS}: J3.194 TP16.1 U20.1
CV_DAC_~{CS}: J3.184 U3.6
CV_EXP_SW: D13.1 D20.1 R48.1 U9.1 U9.8 U9.9 U9.16
CV_IN_DET: J3.36 J16.SN R85.2 R86.1
CV_OUT_1: R143.2 U10.3
CV_OUT_2: R144.2 U10.5
CV_OUT_DET: J3.130 J17.SN R87.1 R88.2
EXP_EN1: D13.2 J3.106 R51.1 TP15.1 U21.1
EXP_EN2: D20.2 J3.112 R50.1 TP14.1 U21.4
EXP_FLAG1: J3.108 R80.1 R89.2 U21.2
EXP_FLAG2: J3.110 R79.1 R90.2 U21.3
HMI_ISP_ENABLE: J2.1 J3.208
HMI_RESET: J2.2 J3.206 R49.1
HMI_RFU_01(RX): J2.11 J3.212
HMI_RFU_02(TX): J2.12 J3.182
HMI_UART_RX: J2.4 J3.188
HMI_UART_TX: J2.3 J3.216
HP_CLOCK: J3.158 R26.2
HP_CV_JACK_RING: J17.R U13.6 U13.14
HP_CV_JACK_TIP: J17.T U13.3 U13.10
HP_DISABLE: J3.162 R52.1 U13.1 U13.8 U13.9 U13.16
HP_LEFT: R131.2 U13.2
HP_RIGHT: R132.2 U13.7
HP_UP/DN: J3.160 R27.2
IN1: J7.T K1.10 R92.2
IN1_DETECT: J3.32 J7.SN R53.2 R84.1
IN1_GC1: J3.82 R41.2 TP6.1
IN1_GC2: J3.80 R63.1
IN1_TBP: J3.120 Q1.1 R24.1 TP10.1
IN2: J8.T K2.10 R91.2
IN2_DETECT: J3.34 J8.SN R28.1 R42.2
IN2_GC1: J3.84 R17.2
IN2_GC2: J3.90 R54.1
IN2_TBP: J3.122 Q2.1 R25.1 TP11.1
MIDI_UART_RX: D12.2 J3.88
MIDI_UART_TX: J3.86 Q4.1
OUT1_DETECT: J3.126 J9.SN R74.1 R76.2
OUT2_DETECT: J3.128 J10.SN R75.1 R77.2
PM_LEDS_OE: J2.6 J3.202
PM_LEDS_SCL: J2.7 J3.192 R20.1 U7.1
PM_LEDS_SDA: J2.8 J3.214 R21.1 U7.3
POWER_BUTTON: J2.10 J3.221
RS485_RX+: J4.3 R43.1 R47.1
RS485_RX-: J4.6 R44.1 R47.2
RS485_TX+: J4.1 R45.1
RS485_TX-: J4.2 R46.1
SOM_RESET: J3.218
UBOOT_BUTTON: C44.1 J3.152 R16.1
USB_DEV_DET: C64.1 J3.145 R29.1 R30.1
USB_DEV_DN: D9.2 J3.135 J11.2
USB_DEV_DP: D9.3 J3.133 J11.3
USB_HOST_DN: D10.3 J3.189 J12.2
USB_HOST_DP: D10.2 J3.187 J12.3
USB_HOST_DRV: J3.200 R31.2 U16.4
Net-(C2-Pad1): C2.1 F1.2 J1.1
Net-(C4-Pad1): C4.1 CA15.1 D1.1 U1.1
Net-(C16-Pad1): C16.1 FB1.2 U5.2
Net-(C18-Pad2): C18.2 C19.1 U6.9
Net-(C21-Pad2): C21.2 C23.1 U6.13
Net-(C25-Pad2): C25.2 C27.1 U6.12
Net-(C39-Pad2): C39.2 C63.1 D9.4 J11.1 R29.2
Net-(C45-Pad2): C45.2 Q13.1 R3.2 R17.1 R67.2 TP8.1
Net-(C46-Pad2): C46.2 Q9.1 R1.2 R41.1 R65.2
Net-(C47-Pad2): C47.2 D18.2 Q14.3 R60.1
Net-(C48-Pad2): C48.2 D16.2 Q10.3 R18.1
Net-(C49-Pad2): C49.2 D19.2 Q15.3 R61.1
Net-(C50-Pad2): C50.2 D17.2 Q11.3 R57.1
Net-(C55-Pad2): C55.2 Q16.1 R4.2 R54.2 R68.2 TP9.1
Net-(C56-Pad2): C56.2 Q12.1 R2.2 R63.2 R66.2 TP7.1
Net-(C57-Pad2): C57.2 CA21.1 U14.1
Net-(C58-Pad2): C58.2 CA22.1 U14.9
Net-(C59-Pad1): C59.1 U14.3
Net-(C62-Pad1): C62.1 J11.5 R82.2
Net-(C66-Pad2): C66.2 D10.4 J12.1 U16.1
Net-(C67-Pad1): C67.1 J12.5 R83.2
Net-(C73-Pad1): C73.1 D15.3 U9.2 U9.15 U20.5
Net-(C74-Pad1): C74.1 D14.3 U9.7 U9.10 U20.4
Net-(C84-Pad1): C84.1 R55.2
Net-(C85-Pad2): C85.2 J18.S TR1.5
Net-(CA1-Pad1): CA1.1 U6.11
Net-(CA2-Pad1): CA2.1 U6.10
Net-(CA3-Pad2): CA3.2 CA4.2 R92.1 R94.2
Net-(CA4-Pad1): CA4.1 D5.3 R96.2 U8.5
Net-(CA5-Pad1): CA5.1 R98.2 R100.1 U8.6
Net-(CA5-Pad2): CA5.2 R106.1 U8.7
Net-(CA6-Pad1): CA6.1 R104.2 R106.2
Net-(CA7-Pad2): CA7.2 CA8.2 R91.1 R93.2
Net-(CA8-Pad1): CA8.1 D6.3 R95.2 U8.3
Net-(CA9-Pad1): CA9.1 R97.2 R99.1 U8.2
Net-(CA9-Pad2): CA9.2 R105.1 U8.1
Net-(CA10-Pad1): CA10.1 R103.2 R105.2
Net-(CA11-Pad2): CA11.2 R108.1
Net-(CA12-Pad2): CA12.2 R107.1
Net-(CA13-Pad1): CA13.1 D22.3 R113.1 R118.2 R121.1 U11.1
Net-(CA13-Pad2): CA13.2 R111.1 R118.1 U11.2
Net-(CA14-Pad1): CA14.1 D23.3 R115.1 R119.2 R122.1 U12.1
Net-(CA14-Pad2): CA14.2 R112.1 R119.1 U12.2
Net-(CA17-Pad1): CA17.1 R125.2
Net-(CA17-Pad2): CA17.2 K1.8 R148.2
Net-(CA18-Pad1): CA18.1 R108.2 R110.1 U11.3
Net-(CA19-Pad1): CA19.1 Q8.1 R71.2
Net-(CA19-Pad2): CA19.2 U14.2
Net-(CA20-Pad1): CA20.1 Q17.1 R72.2
Net-(CA20-Pad2): CA20.2 U14.8
Net-(CA21-Pad2): CA21.2 R129.1 R131.1
Net-(CA22-Pad2): CA22.2 R130.1 R132.1
Net-(CA23-Pad1): CA23.1 R107.2 R109.1 U12.3
Net-(CA24-Pad2): CA24.2 R121.2 R125.1
Net-(CA25-Pad2): CA25.2 Q8.3 R69.2 R78.1
Net-(CA26-Pad2): CA26.2 Q17.3 R70.2 R81.1
Net-(CA28-Pad2): CA28.2 R122.2 R126.1
Net-(CA29-Pad2): CA29.2 R123.2 R127.1
Net-(CA30-Pad2): CA30.2 R124.2 R128.1
Net-(CA31-Pad1): CA31.1 R126.2
Net-(CA31-Pad2): CA31.2 K2.8 R150.2
Net-(CA32-Pad1): CA32.1 R127.2
Net-(CA32-Pad2): CA32.2 K1.5 R147.2
Net-(CA33-Pad1): CA33.1 R128.2
Net-(CA33-Pad2): CA33.2 K2.5 R149.2
Net-(D1-Pad2): D1.2 D2.2 F1.1
Net-(D2-Pad1): D2.1 L1.1
Net-(D7-Pad2): D7.2 K1.12 Q1.3
Net-(D8-Pad2): D8.2 K2.12 Q2.3
Net-(D11-Pad1): D11.1 R32.2 U17.2
Net-(D11-Pad2): D11.2 J13.5 U17.3
Net-(D12-Pad1): D12.1 U17.6
Net-(D16-Pad1): D16.1 Q9.3 R5.2
Net-(D17-Pad1): D17.1 Q12.3 R58.2
Net-(D18-Pad1): D18.1 Q13.3 R59.2
Net-(D19-Pad1): D19.1 Q16.3 R62.2
Net-(D21-Pad1): D21.1 L2.1 U15.2
Net-(D24-Pad3): D24.3 R117.2 R123.1 U11.7
Net-(D25-Pad3): D25.3 R120.2 R124.1 U12.7
Net-(D28-Pad3): D28.3 J14.5 R34.1
Net-(FB2-Pad2): FB2.2 U22.1 U22.2
Net-(FB3-Pad2): FB3.2 U22.6 U22.7
Net-(J2-Pad14): J2.14 R22.1
Net-(J2-Pad15): J2.15 R23.1
Net-(J9-PadR): J9.R K1.4 R147.1
Net-(J9-PadT): J9.T K1.9 R148.1
Net-(J10-PadR): J10.R K2.4 R149.1
Net-(J10-PadT): J10.T K2.9 R150.1
Net-(J13-Pad4): J13.4 R32.1
Net-(J14-Pad4): J14.4 R33.1
Net-(J18-PadT): J18.T TR1.8
Net-(Q3-Pad1): Q3.1 Q4.3 R36.2
Net-(Q3-Pad3): Q3.3 R34.2 R35.2
Net-(Q10-Pad1): Q10.1 R98.1
Net-(Q11-Pad1): Q11.1 R102.2
Net-(Q14-Pad1): Q14.1 R97.1
Net-(Q15-Pad1): Q15.1 R101.2
Net-(R9-Pad1): R9.1 U6.1
Net-(R10-Pad1): R10.1 U6.2
Net-(R11-Pad1): R11.1 U6.23
Net-(R12-Pad1): R12.1 U6.25
Net-(R13-Pad1): R13.1 U6.28
Net-(R14-Pad1): R14.1 U6.27
Net-(R15-Pad1): R15.1 U6.26
Net-(R16-Pad2): R16.2 TP22.1
Net-(R19-Pad1): R19.1 U6.29 X1.3
Net-(R26-Pad1): R26.1 U14.4
Net-(R27-Pad1): R27.1 U14.6
Net-(R37-Pad1): R37.1 U19.11
Net-(R37-Pad2): R37.2 U18.5
Net-(R38-Pad1): R38.1 U19.13
Net-(R38-Pad2): R38.2 U18.2
Net-(R39-Pad2): R39.2 U18.3 U19.12
Net-(R40-Pad1): R40.1 U18.4 U19.10
Net-(R43-Pad2): R43.2 U18.12
Net-(R44-Pad2): R44.2 U18.11
Net-(R45-Pad2): R45.2 U18.9
Net-(R46-Pad2): R46.2 U18.10
Net-(R55-Pad1): R55.1 R56.1 TR1.1
Net-(R100-Pad2): R100.2 R102.1 R104.1
Net-(R101-Pad1): R99.2 R101.1 R103.1
Net-(R113-Pad2): R113.2 R117.1 U11.6
Net-(R114-Pad2): R114.2 U11.5
Net-(R115-Pad2): R115.2 R120.1 U12.6
Net-(R116-Pad2): R116.2 U12.5
Net-(R133-Pad2): R133.2 R135.1 U9.3
Net-(R134-Pad2): R134.2 R136.1 U9.6
Net-(R137-Pad2): R137.2 R139.1 U10.2
Net-(R138-Pad2): R138.2 R140.1 U10.6
Net-(R141-Pad2): R141.2 R143.1 U24.14
Net-(R142-Pad2): R142.2 R144.1 U24.10
Net-(R145-Pad2): R145.2 R146.2 U19.8
Net-(U24-Pad3): U3.2 U24.3
Net-(U24-Pad4): U3.5 U24.4
Net-(U24-Pad5): U3.7 U24.5

Pads without a net: H6 1; H7 1; J2 25; J3 3 5 6 7 9 11 13 14 15 16 17 19 21 23 25 27 29 31 33 35 37 38 39 41 42 44 45 46 47 48 49 50 51 52 53 54 55 56 57 59 60 61 62 63 67 68 69 70 71 72 73 74 75 77 78 79 81 83 85 89 91 93 95 96 98 99 101 103 104 105 107 109 111 113 114 116 117 118 119 121 123 125 127 129 131 132 134 136 137 138 139 140 141 142 143 144 146 148 149 150 151 153 154 155 156 157 159 161 163 165 166 167 168 169 170 171 172 173 174 175 176 177 178 179 181 183 186 193 195 196 199 201 203 205 207 209 211 213 215 217 220 236 237 238 239 240 241 242 S1 S2; J7 RN; J8 RN; J9 RN TN; J10 RN TN; J13 1 2 3; J14 1 3; J16 RN TN; J17 RN TN; J18 TN; TR1 2 3 6 7; U6 14 15 16 24; U16 3; U17 1 4 7; U18 1 8; U19 6 9; U24 2 6 7; X1 1

## Via types
v1: diameter 0.9, hole 0.45, Top to Bottom, 177 vias
v2: diameter 0.6, hole 0.3, Top to Bottom, 245 vias
v3: diameter 1.35, hole 0.675, Top to Bottom, 22 vias
v4: diameter 0.75, hole 0.375, Top to Bottom, 47 vias
v5: diameter 0.8, hole 0.4, Top to Bottom, 7 vias

## Routing (per net, layer and track width the routed paths; a pad name or vN(x,y) marks a point on that pad's centre or on a via; arc(x,y) is an arc through that point)
+3.3VA: length 30
  Top w0.254: X1.4 109.81,32.11 109.81,34.33 ; 110.54,23.15 110.8,22.89 U6.31 110.8,22.38 C26.1 110.59,23.06 C24.2
  Top w0.305: C26.1 109.33,23.06 108.18,24.21 108.18,30.59 109.7,32.11 X1.4 ; TP5.1 116.32,22.41 FB1.1
  Top w0.508: C26.1 110.76,23.7 v2(110.76,23.98) ; TP5.1 116.21,24.29 v1(116.21,25.53)
  Bottom w0.508: v1(116.21,25.53) 114.66,23.98 v2(110.76,23.98)
+3V0: length 17.2
  Top w0.305: J3.231 62.89,103.27 v2(62.8,103.18) ; C7.2 62.7,91.08 C8.1 63.14,91.67 J3.230 63.14,100.66 v2(62.82,100.97)
  Bottom w0.305: v2(62.8,103.18) 62.8,100.99 v2(62.82,100.97)
+3V3: length 38
  Top w0.305: R20.2 65.63,86.77 R21.2 64.54,87.41 59.83,87.41 ; 62.19,83.78 60.15,83.78 59.78,84.14 59.78,87.37 59.83,87.41 ; 59.83,87.41 59.22,87.41 U7.4 57.41,87.61 57.41,94.08 C86.1 60.4,95.37 60.53,95.24 ; C79.2 61.03,95.24 62.14,96.35 J3.234 62.14,100.59 v1(61.91,100.82) ; J3.235 61.89,103.3 v1(61.9,103.29)
  Bottom w0.305: v1(61.91,100.82) 61.9,100.83 v1(61.9,103.29)
+5VA: length 291.1
  Top w0.254: R78.2 49.24,54.95 48.28,54.95 47.21,56.02 45.99,56.02 Q17.2 ; 107.74,17.91 108.69,18.86 U6.5 ; Q8.2 40.94,56.45 R81.2
  Top w0.305: 40.73,83.13 41.19,83.13 42.44,81.88 42.44,80 41.36,78.92 40.89,78.92 ; U24.9 30.73,85.41 29.91,86.24 29.91,87.14 R142.1 32.04,89.27 32.82,89.27 ; v1(51.65,53.75) 51.55,53.65 R78.2 52.31,55.43 52.31,56.45 46.72,62.03 v1(44.94,62.03) ; 39.23,78.91 40.88,78.91 40.89,78.92 ; 40.89,78.92 40.89,78.48 41.33,78.04 v2(45.96,78.04) ; U24.1 36.82,78.54 36.82,77.48 ; C29.1 107.65,16.4 ; v1(100.97,16.33) 102.58,16.33 RA38.1 ; v1(45.96,71.69) 46.91,72.64 U14.10 46.91,74.63 C61.1 46.91,76.27 45.97,76.27 v2(45.96,76.26) ; U5.3 121.5,24.32 v1(121.5,23.61) 120.56,22.67 120.56,19.98 119.67,19.09 118.56,19.09 C31.1 ; U6.17 117.2,17.36
  Top w0.381: U24.11 31.47,82.87 31.02,82.42 C82.2 C83.2 31,80.77 31.44,80.33 U24.13 34.29,80.33 35.56,79.06 35.84,79.08 U24.1 39.08,79.06 39.23,78.91 40.07,78.91 40.24,78.88 40.88,78.91 ; U24.11 32.38,82.87 33.97,84.46 33.97,88.45 33.15,89.27 32.82,89.27 ; U24.11 32.46,82.87 ; U14.10 46.91,76.27 46.91,76.27 ; Q17.2 45.17,56.78 44.21,55.83 41.54,55.83 41.35,56.02 Q8.2 ; 36.82,77.48 36.82,76.95 33.87,74 U13.12 ; C28.2 106.91,15.49 104.82,15.49 RA38.1 ; 106.89,8.98 119.67,8.98 121.51,10.82 121.51,16.5 121.98,16.97 121.98,19.63 122.56,20.2 122.56,21.53 122.28,21.81 122.28,22.55 123,23.27 v1(123,23.91) 123.46,23.91 123.62,23.75 D3.2 124.26,23.75 125.09,24.57 125.47,24.57 126.16,25.27 D4.2
  Top w0.508: v1(120.16,27.5) 120.22,27.44 121.14,27.44 121.14,24.71 U5.3 ; 106.89,8.98 104.12,11.75 RA38.1
  Top w0.762: TP4.1 140.93,51.62 CA27.1 137.66,51.39 C41.1 135.54,51.97 U2.2 ; U5.3 121.13,25.59 ; v3(122.11,51.52) 122.56,51.97 U2.2
  Top w1.27: U2.2 U2.2
  Bottom w0.254: 51.65,49.43 57.28,43.8 77.19,43.8 93.88,27.11 93.88,23.43 99.96,17.34
  Bottom w0.305: v1(44.94,62.03) 44.94,70.67 v1(45.96,71.69) ; v1(100.97,16.33) 99.96,17.34 ; v2(45.96,76.26) v2(45.96,78.04) ; v1(51.65,53.75) 51.65,49.43
  Bottom w0.381: v1(121.5,23.61) 121.8,23.91 v1(123,23.91)
  Bottom w0.762: v3(122.11,51.52) 122.11,46.77 122.1,46.76 122.1,29.44 v1(120.16,27.5)
